# KiCad board SandyLPD_Base.kicad_pcb (continued)
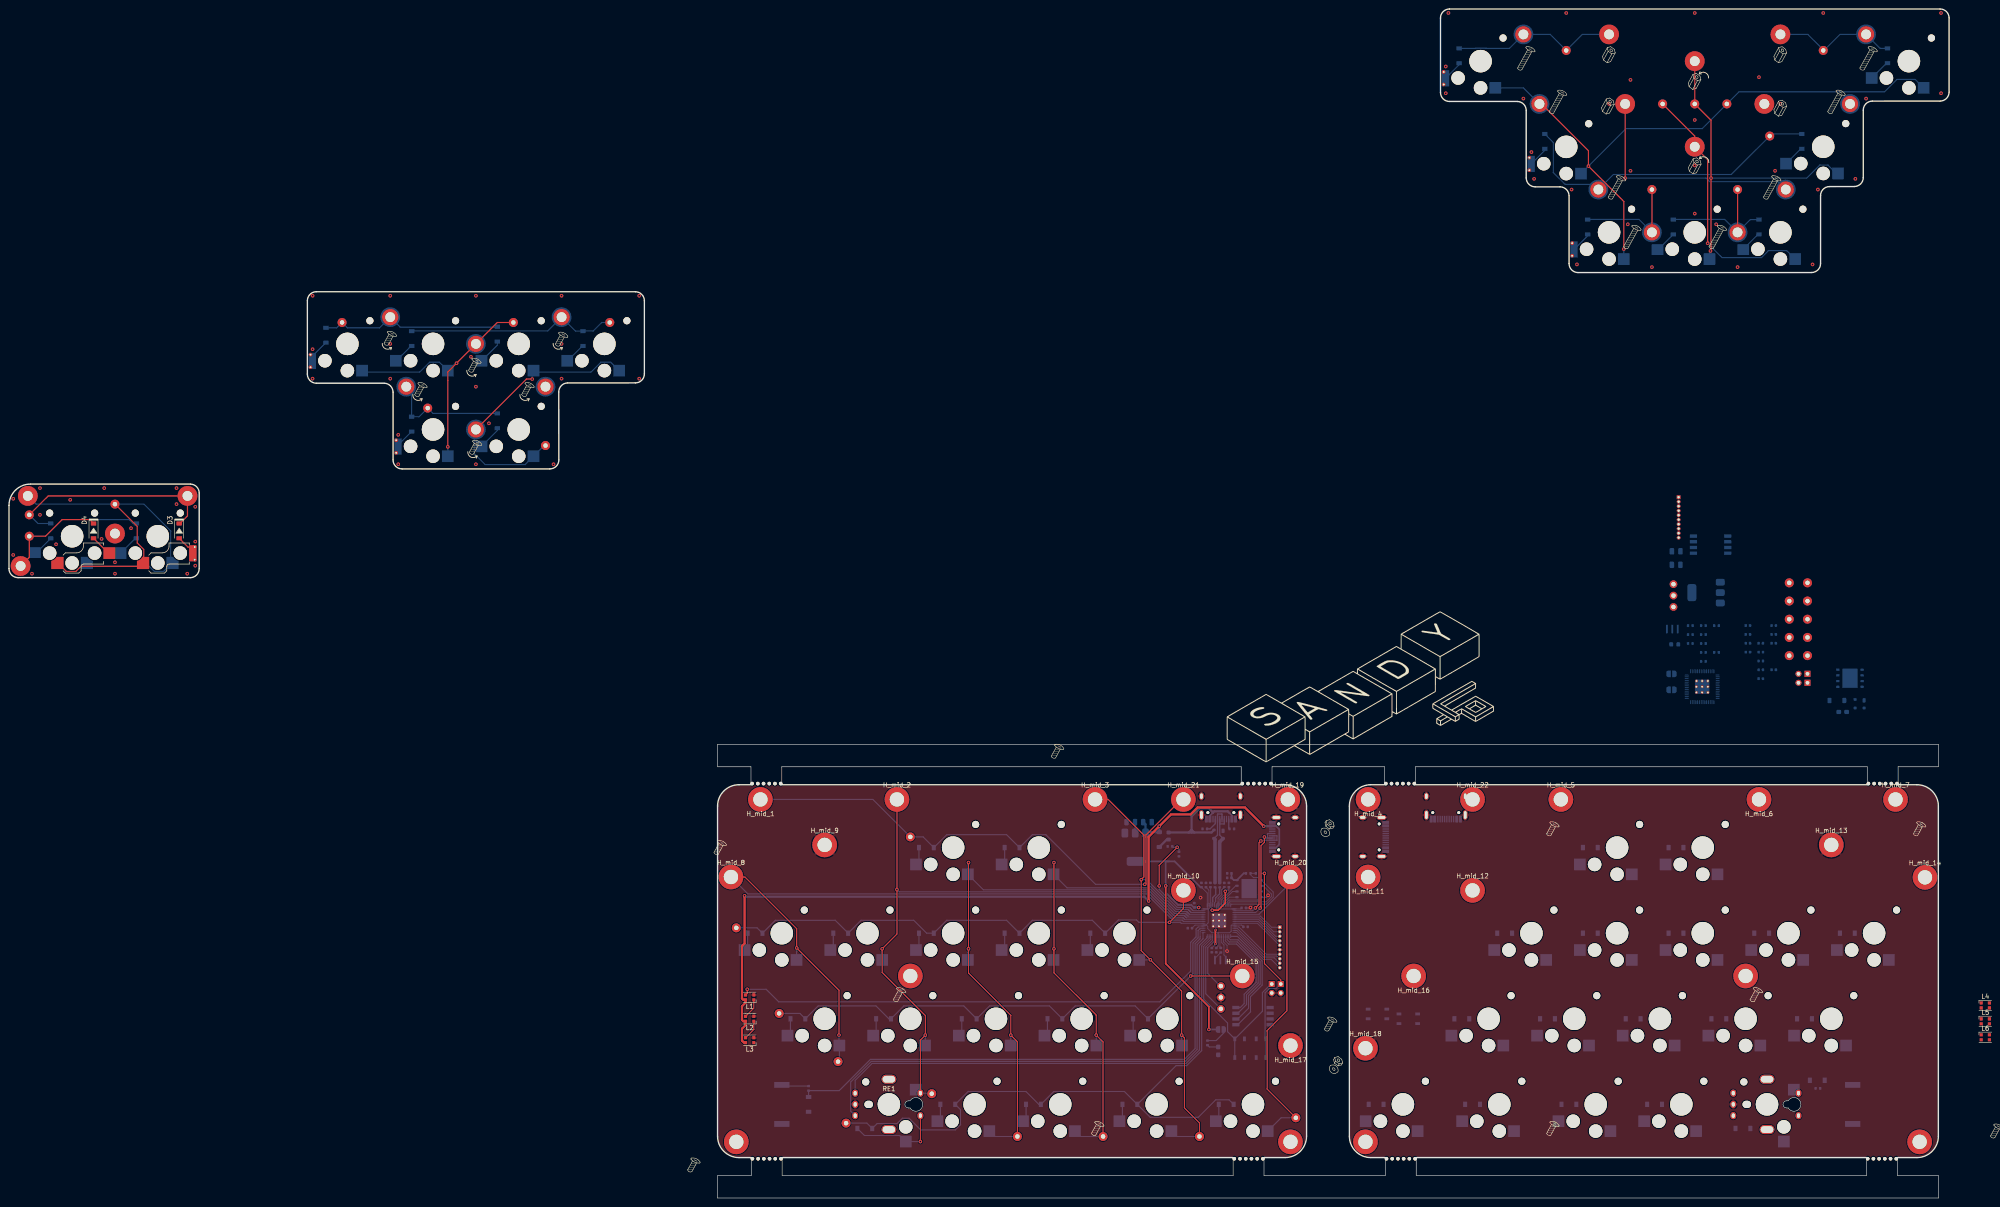
[diagram p0: board, top side]
## Routing (per net, layer and track width the routed paths; a pad name or vN(x,y) marks a point on that pad's centre or on a via; arc(x,y) is an arc through that point) (continued)
L_Audio: length 118.6
  Bottom w0.2: U3.30 265.09,59.54 264.86,59.31 264.86,58.2
  Bottom w0.25: D35.1 R9.2 184.6,23.9 191.56,30.85 261.35,30.85 263.75,33.25 263.75,56.59 264.86,57.7 264.86,58.2
L_col0: length 165.3
  Top w0.25: v1(184.56,36.25) 184.56,46.25 v1(175.16,55.65) 175.16,59.93 163.65,71.44 H_mid_8.1
  Bottom w0.2: 260.87,61.85 261.18,61.54 U3.35
  Bottom w0.25: v1(175.16,55.65) 175.16,54.85 175.12,54.82 SW_5.1 ; v1(184.56,36.25) 184.56,34.02 SW_15.1 184.65,30.66 T_L_C0.1 ; H_mid_8.1 164.29,67.69 252.93,67.69 258.76,61.85 260.87,61.85 261.16,61.56
L_col1: length 199.2
  Top w0.25: 2.59,140.65 4.51,142.58 4.51,147.28 8.11,147.28 11.81,150.98 17.93,150.98 18.8,150.12 ; H_mid_2.1 v1(197.45,68.63) 197.45,58.74 v1(194.16,55.45) 194.16,50.21 203.76,40.61 v1(203.76,36.25) 202.66,35.15 SW_25.S1
  Bottom w0.2: U3.36 261.48,61.94 261.26,62.15
  Bottom w0.25: 261.06,62.35 261.36,62.05 ; 261.06,62.35 258.9,62.35 253.11,68.14 197.94,68.14 v1(197.45,68.63) ; 261.06,62.35 261.26,62.15 ; T_L_C1.1 205.07,23.34 SW_25.S1 ; SW_6.1 194.16,53 v1(194.16,55.45) ; 28.33,150.12 28.29,150.15 27.54,150.15 26.71,150.98 11.84,150.98 8.13,147.28 4.51,147.28 ; SW_16.1 203.76,34 v1(203.76,36.25)
L_col2: length 137.1
  Top w0.25: T_L_C2.1 224.23,34.78 v1(222.76,36.25) 222.76,40.66 213.36,50.06 v1(213.36,55.45) v1(213.36,74.65)
  Bottom w0.2: U3.37 261.88,62.34 261.46,62.75
  Bottom w0.25: 261.36,62.85 259.03,62.85 253.3,68.59 216.67,68.59 SW_1.1 213.22,74.52 v1(213.36,74.65) ; 261.36,62.85 261.81,62.41 ; 261.36,62.85 261.46,62.75 261.71,62.51 ; T_L_C2.1 219.18,13.69 SW_LWIN1.1 ; SW_17.1 222.76,33.95 v1(222.76,36.25) ; v1(213.36,55.45) 213.36,54.85 213.22,54.72 SW_7.1
L_col3: length 118.3
  Top w0.25: v1(232.36,74.65) v1(232.36,55.45) 232.36,50.11 241.76,40.71 v1(241.76,36.25) 243.28,34.73 T_L_C3.1
  Bottom w0.2: U3.38 262.18,62.74 261.86,63.05
  Bottom w0.25: 261.61,63.3 262.01,62.9 ; 261.61,63.3 262.15,62.76 262.18,62.76 ; 261.61,63.3 259.22,63.3 253.49,69.04 235.27,69.04 SW_2.1 232.27,74.57 v1(232.36,74.65) ; 261.61,63.3 261.86,63.05 ; T_L_C3.1 238.23,13.69 SW_27.1 ; SW_18.1 241.76,33.97 v1(241.76,36.25) ; SW_8.1 232.27,54.97 232.36,55.05 v1(232.36,55.45)
L_col4: length 116.9
  Top w0.25: H_mid_3.1 244.41,88.7 252.36,80.75 252.36,71.45 v1(251.76,70.85) 251.76,55.05 v1(253.81,53) 260.76,46.05 v1(260.76,36.25) 261.37,35.65 261.37,20.06 264.72,16.71 T_L_C4.1
  Bottom w0.2: U3.40 262.88,63.54 262.56,63.85
  Bottom w0.25: v1(260.76,36.25) 260.76,34.02 SW_19.1 ; 262.21,64.2 262.66,63.75 ; 262.21,64.2 259.59,64.2 252.94,70.85 v1(251.76,70.85) ; 262.21,64.2 262.56,63.85 ; 262.21,64.2 262.85,63.56 262.88,63.56 ; T_L_C4.1 259.66,13.69 SW_28.1 ; SW_9.1 253.79,52.99 v1(253.81,53)
L_col5: length 143.9
  Top w0.25: 112.16,194.85 108.58,194.85 103.82,190.08 v1(99.52,185.78) 97.57,183.83 v1(97.57,167.16) ; T_L_C5.1 279.76,24.25 279.76,37.25 284.16,41.65 284.16,70.64 H_mid_20.1
  Bottom w0.2: 278.01,63.2 277.94,63.14 U3.4
  Bottom w0.25: 278.01,63.2 284.96,70.15 H_mid_20.1 ; SW_29.1 282.87,17.86 T_L_C5.1 ; v1(99.52,185.78) 99.27,185.78 97.62,184.13 97.57,184.13 95.7,186.01 93.52,186.01 91.32,183.81 78.85,183.81 78.52,184.13 ; 97.57,165.08 v1(97.57,167.16)
L_D+: length 18.1
  Bottom w0.3: D36.2 269.23,80.74 J5.A6 269.23,83.25 270.18,83.25 270.23,83.3 J5.B6
  Bottom w0.5: D36.2 269.96,79.85
  Bottom w0.8: D36.2 269.22,79.27 R2.2
L_D-: length 17.8
  Bottom w0.3: D36.3 268.73,80.78 J5.B7 268.73,85.4 268.78,85.45 269.68,85.45 269.73,85.4 J5.A7
  Bottom w0.8: R3.2 268.18,79.79 D36.3
L_dip1: length 26.1
  Bottom w0.2: U3.15 271.73,58.23
  Bottom w0.25: SW3.1 273.23,38.58 276.07,41.41 276.07,44.8 278.67,47.4 278.67,52.73 273.17,58.23 271.73,58.23
L_dip2: length 24.8
  Bottom w0.2: U3.16 271.26,57.76 271.56,57.46
  Bottom w0.25: 271.56,57.46 273.3,57.46 278.22,52.55 278.22,47.63 275.62,45.04 275.62,42.23 273.23,39.85 SW3.2
L_dip3: length 23.4
  Bottom w0.2: U3.17 270.86,57.5 271.38,56.98
  Bottom w0.25: 271.38,56.98 273.15,56.98 277.77,52.36 277.77,47.82 275.17,45.22 275.17,43.05 273.23,41.12 SW3.3
L_dip4: length 22.2
  Bottom w0.2: 271.16,56.55 270.46,57.25 U3.18
  Bottom w0.25: 271.16,56.55 271.19,56.53 272.96,56.53 277.32,52.18 277.32,48.01 274.66,45.35 274.66,43.25 273.79,42.39 SW3.4
L_LED: length 115.7
  Top w0.25: v1(164.16,46.45) 164.16,45.57 L1.3
  Bottom w0.2: U3.32 264.44,60.34 264.33,60.23
  Bottom w0.25: 264.33,60.23 263.96,59.85 263.96,58.1 262.76,56.9 262.76,50.5 255.91,43.65 171.16,43.65 168.36,46.45 v1(164.16,46.45)
L_QSPI_SCLK: length 4.9
  Bottom w0.2: U3.52 270.06,66.2 272.07,68.22 U4.6
L_QSPI_SD0: length 3.8
  Bottom w0.2: U4.5 271.37,66.95 270.46,66.04 U3.53
L_QSPI_SD1: length 14.1
  Bottom w0.2: U4.2 278.89,69.49 280.71,67.67 280.71,67.07 279.55,65.91 271.46,65.91 271.26,65.71 U3.55
L_QSPI_SD2: length 9.9
  Bottom w0.2: U4.3 277.78,67.54 277.78,66.48 277.62,66.31 271.3,66.31 270.86,65.87 U3.54
L_QSPI_SD3: length 5.9
  Bottom w0.2: U4.7 272.78,69.49 269.66,66.37 U3.51
L_QSPI_SS: length 19.5
  Bottom w0.2: R5.2 R4.2 276.07,71.94 276.71,71.3 277.91,71.3 278.45,70.76 U4.1 281.11,68.11 281.11,66.91 279.61,65.4 271.89,65.4 U3.56
L_RE_A: length 108.3
  Bottom w0.2: U3.28 266.39,58.23
  Bottom w0.25: SW_25.A 188.16,26.18 191.93,29.95 261.72,29.95 264.71,32.94 264.71,56.22 266.39,57.89 266.39,58.23
L_RE_B: length 114.6
  Bottom w0.2: U3.29 265.5,59.01
  Bottom w0.25: 265.5,59.01 265.5,57.7 264.2,56.39 264.2,33.07 261.54,30.4 191.75,30.4 187.16,25.82 187.16,19.34 SW_25.B
L_RESERVE1: length 11.1
  Bottom w0.2: J4.1 280.76,60.25 278.28,62.74 U3.5
L_RESERVE2: length 11.3
  Bottom w0.2: U3.6 278.11,62.34 281.19,59.25 J4.2
L_RESERVE3: length 11.6
  Bottom w0.2: J4.3 281.63,58.25 277.95,61.94 U3.7
L_RESERVE4: length 11.8
  Bottom w0.2: U3.8 277.78,61.54 282.06,57.25 J4.4
L_RESERVE5: length 12.1
  Bottom w0.2: J4.5 282.5,56.25 277.62,61.14 U3.9
L_RESERVE6: length 12.6
  Bottom w0.2: J4.7 279.56,54.25 273.48,60.34 U3.11
L_RESERVE7: length 12.8
  Bottom w0.2: U3.12 273.2,59.94 279.28,53.85 281.93,53.85 282.53,53.25 J4.8
L_RESERVE8: length 13.1
  Bottom w0.2: U3.13 273.03,59.54 279.11,53.45 281.33,53.45 282.26,52.53 282.28,52.53 J4.9
L_RESERVE9: length 13.3
  Bottom w0.2: U3.14 272.87,59.14 278.95,53.05 280.73,53.05 282.26,51.53 282.28,51.53 J4.10
L_RESET: length 46.3
  Bottom w0.2: U3.26 267.26,57.6 265.66,56 265.66,55.9
  Bottom w0.25: J1.1 280.63,47.62 278.71,45.7 278.71,41.55 SW2.1 ; SW2.1 SW2.1 ; SW2.1 270.96,37.02 270.96,38.95 265.66,44.25 265.66,55.9
L_row0: length 138.1
  Top w0.25: H_mid_21.1 260.71,88.7 252.81,80.8 252.81,70.06 v1(252.56,69.81)
  Bottom w0.2: U3.39 262.48,63.14 262.16,63.45
  Bottom w0.25: 261.86,63.75 262.31,63.3 ; 261.86,63.75 262.45,63.16 262.48,63.16 ; 261.86,63.75 262.16,63.45 ; 261.86,63.75 259.41,63.75 253.35,69.81 v1(252.56,69.81) 241.6,69.81 230.55,80.86 227.57,80.86 D2#3.1 221.82,80.86 208.52,80.86 D1#3.1 203.26,80.37 T_L_R0.1 192.09,88.7 H_mid_1.1
L_row1: length 124
  Top w0.25: H_mid_10.1 261.14,64.45 v1(258.05,61.35)
  Bottom w0.2: 260.56,61.25 260.68,61.14 U3.34
  Bottom w0.25: 186.59,59.09 D6#2.1 ; D6#2.1 183.72,61.81 170.42,61.81 D5#2.1 166.35,60.13 T_L_R1.1 ; D6#2.1 189.47,61.81 201.17,61.81 204.04,58.94 D7.1 208.52,61.81 221.82,61.81 D8.1 227.57,61.81 240.87,61.81 D9#2.1 246.69,61.88 250.72,61.88 251.25,61.35 v1(258.05,61.35) 260.46,61.35 260.56,61.25
L_row2: length 200.5
  Top w0.25: H_mid_15.1 262.77,49.41 v1(262.76,49.4)
  Bottom w0.2: U3.31 264.84,59.94 264.78,59.88 ; 253.27,39.96 D19.1
  Bottom w0.25: T_L_R2.1 175.88,41.08 D15.1 179.94,42.76 192.78,42.76 195.66,39.89 D16.1 198.99,42.76 212.29,42.76 D17.1 218.04,42.76 231.34,42.76 D18.1 237.09,42.76 250.39,42.76 D19.1 253.27,39.91 v1(262.76,49.4) 263.26,49.9 263.26,56.75 264.41,57.9 264.41,59.51 264.78,59.88 ; 398.66,236.8 391.98,236.8 391.52,236.34 382.96,227.78 356.77,227.78 353.42,224.43 352.27,225.58 346.02,225.58 343.4,228.21 343.4,234.91 341.51,236.8
L_row3: length 148.8
  Bottom w0.2: U3.27 266.86,57.76 265.21,56.11 265.21,56
  Bottom w0.25: 265.21,56 265.21,32.8 261.86,29.45 259.51,29.45 D27.1 ; D27.1 248.01,23.71 232.33,23.71 D26.1 229,20.84 226.12,23.71 213.28,23.71 D25.1 211.58,19.66 211.58,16.31 210.43,15.15 202.74,15.15 200.14,17.75 198.66,17.75 197.47,16.56 193.03,16.56 D33.1 190.76,16.67 T_L_R3.1 ; D27.1 253.76,17.96 264.44,17.96 268.34,21.85 271.3,21.85 D28.1
L_RX: length 27.2
  Top w0.25: v1(278.2,64.52) 278.41,64.73 278.41,78.4 279.16,79.15 v1(279.16,80.34)
  Bottom w0.2: v1(278.2,64.52) 277.22,63.54 U3.3
  Bottom w0.25: J6.B7 279.87,81.12 279.85,81.09 279.85,80.14 279.87,80.12 J6.A7 279.38,80.12 v1(279.16,80.34)
L_SWCLK: length 13
  Bottom w0.2: U3.24 268.06,57.2 266.56,55.7 266.56,55.67
  Bottom w0.25: J2.1 269.33,47.17 266.56,49.95 266.56,55.67
L_SWD: length 18.2
  Bottom w0.2: 266.11,55.82 267.66,57.37 U3.25
  Bottom w0.25: J2.3 266.11,45.46 266.11,55.82
L_TX/SERIAL: length 26
  Top w0.25: v1(277.16,64.55) 277.96,65.35 277.96,79.05 v1(278.36,79.45)
  Bottom w0.2: v1(277.16,64.55) 276.54,63.94 U3.2
  Bottom w0.25: v1(278.36,79.45) 278.52,79.62 J6.B6 281.92,79.62 281.95,79.64 281.95,80.59 281.92,80.62 J6.A6
L_USB_BOOT: length 45.8
  Top w0.25: J1.3 282.79,48.55 279.16,52.18 v1(279.16,72.25)
  Bottom w0.25: SW1.2 SW1.2 279.31,35.59 279.31,45.67 280.27,46.62 281.79,46.62 J1.3 ; R5.1 v1(279.16,72.25)
L_VBUS_detection: length 26.8
  Top w0.25: v1(259.76,78.05) 255.76,74.05 v1(255.76,69.45)
  Bottom w0.2: 262.96,64.25 263.28,63.94 U3.41
  Bottom w0.25: 262.56,64.65 263.01,64.2 ; 262.56,64.65 259.78,64.65 255.76,68.67 v1(255.76,69.45) ; 262.56,64.65 262.96,64.25 ; 262.56,64.65 263.21,64 ; R12.1 258.87,78.05 v1(259.76,78.05) 260.16,77.65 R8.1
R_col4: length 133.2
  Top w0.25: 367.7,243.48 374.85,236.34 374.85,233.96 377.72,231.08 v1(377.72,212.48) ; v1(378.35,210.76) 378.47,210.88 v1(378.47,226.98) 378.47,239.86 374.85,243.48 374.85,253.01
  Bottom w0.25: v1(378.47,226.98) 399.75,226.98 402.65,229.88 404.47,229.88 406.35,228.01 406.7,228.01 ; v1(378.35,210.76) 378.12,210.53 378.12,208.96 ; v1(377.72,212.48) 380.92,209.28 389.68,209.28 391.23,210.83 395.3,210.83 397.17,208.96
R_RESET: length 31
  Top w0.25: 384.37,224.43 384.37,214.91
  Bottom w0.25: 370.09,217.75 370.12,217.78 381.5,217.78 384.37,214.91 387.21,217.75 389.14,217.75
Net-(D1-A): length 14.3
  Bottom w0.25: D1#2.2 70.44,190.35 67.46,187.37 SW_[1.2 ; 5.76,143.53 5.98,143.53 D1.2 ; D1#3.2 202.34,74.91 SW_1.2
Net-(D2-A): length 13.8
  Bottom w0.25: SW_]1.2 86.12,186.33 89.41,189.62 D2.2 ; SW_Q1.2 28.1,146.82 D2#2.2 ; D2#3.2 221.39,74.91 SW_2.2
Net-(D3-A): length 14.6
  Top w0.25: SW_P1.2 39.79,144.88 D3.2
  Bottom w0.25: SW_R1.2 322.46,252.23 D3#4.2 ; D3#2.2 108.58,189.8 105.12,186.33 SW_Y1.2
Net-(D4-A): length 14.6
  Top w0.25: D4.2 22.09,143.53 SW_BS1.2
  Bottom w0.25: D4#2.2 417.49,252.55 SW_U1.2 ; SW_T1.2 124.22,186.33 127.51,189.62 D4#3.2
Net-(D5-A): length 8.9
  Bottom w0.25: SW_5.2 164.24,55.86 D5#2.2 ; D5.2 86.24,167.28 86.02,167.28
Net-(D6-A): length 9.5
  Bottom w0.25: D6#2.2 183.29,55.86 SW_6.2 ; SW_'1.2 108.58,170.8 D6.2
Net-(D7-A): length 8.6
  Bottom w0.25: D7.2 202.34,55.86 SW_7.2 ; SW_G1.2 341.51,233.16 D7#2.2
Net-(D8-A): length 4
  Bottom w0.25: D8.2 221.39,55.86 SW_8.2
Net-(D9-A): length 8.9
  Bottom w0.25: SW_9.2 240.44,55.86 D9#2.2 ; SW_H1.2 398.44,233.5 D9.2
Net-(D11-A): length 4.6
  Bottom w0.25: SW_R4CNT_L1.2 351.04,214.13 D11.2
Net-(D12-A): length 4.9
  Bottom w0.25: D12#2.2 366.8,211.16 366.57,211.16
Net-(D13-A): length 4.9
  Bottom w0.25: 385.62,211.16 388.91,214.45 D13.2
Net-(D15-A): length 4
  Bottom w0.25: D15.2 173.77,36.81 SW_15.2
Net-(D16-A): length 4
  Bottom w0.25: D16.2 192.82,36.81 SW_16.2
Net-(D17-A): length 4
  Bottom w0.25: D17.2 211.87,36.81 SW_17.2
Net-(D18-A): length 4
  Bottom w0.25: D18.2 230.92,36.81 SW_18.2
Net-(D19-A): length 4
  Bottom w0.25: SW_19.2 249.97,36.81 D19.2
Net-(D25-A): length 4
  Bottom w0.25: SW_LWIN1.2 207.11,17.76 D25.2
Net-(D26-A): length 4
  Bottom w0.25: D26.2 226.16,17.76 SW_27.2
Net-(D27-A): length 4
  Bottom w0.25: D27.2 247.59,17.76 SW_28.2
Net-(D28-A): length 4
  Bottom w0.25: D28.2 269.02,17.76 SW_29.2
Net-(D33-A): length 21.1
  Top w0.25: SW_25.S2 v1(202.66,12.55)
  Bottom w0.25: v1(202.66,12.55) 202.16,12.55 202.15,12.56 SW_25.S2 198.06,13.91 190.22,13.91 D33.2 ; 203.16,18.49 203.16,18.34
Net-(J5-CC1): length 3.3
  Bottom w0.3: J5.A5 268.23,83.3 267.08,82.15 R10.1
Net-(J5-CC2): length 2.2
  Bottom w0.3: R11.1 271.23,82.32 J5.B5
Net-(JP1-B): length 5.1
  Bottom w0.25: R1.2 268.42,35.04 270.13,36.75 JP1.2
Net-(L1-DOUT): length 4.4
  Top w0.25: L1.1 165.62,42.27 L2.3
Net-(L2-DOUT): length 4.4
  Top w0.25: L3.3 165.62,37.5 L2.1
Net-(LS1-Pad1): length 6.1
  Bottom w0.25: LS1.1 172.12,24.92 R9.1
Net-(R6-Pad1): length 2.2
  Bottom w0.2: R6.1 268.16,53.34 Y1.3
Net-(SD1-A): length 2.8
  Bottom w0.5: F1.2 257.44,79.77 SD1.2
Net-(STLED1-A): length 2.5
  Bottom w0.25: STLED1.2 266.9,33.62 R1.1
Net-(U3-USB_DM): length 4.6
  Bottom w0.2: U3.46 267.66,66.25
  Bottom w0.3: 267.66,65.93 267.66,66.86 268.33,67.54 268.33,68.99 R3.1
Net-(U3-USB_DP): length 4.5
  Bottom w0.2: U3.47 268.06,65.72 268.3,65.96
  Bottom w0.3: 268.3,65.96 268.3,66.8 269.22,67.71 R2.1
Net-(U3-XIN): length 5.7
  Bottom w0.2: Y1.1 270.56,53.7 270.16,54.1 270.16,56.32 269.66,56.82 U3.20
Net-(U3-XOUT): length 2.7
  Bottom w0.2: R6.2 269.26,55.86 U3.21

## Copper pours and planes (outline as drawn; the poured copper is in the pictures)
+1V1 on Bottom: 267.08,63.54 270.68,63.54 270.68,60.14 268.08,60.14 268.08,59.34 268.88,59.34 269.08,59.54 271.28,59.54 271.28,63.94 268.48,63.94 268.28,64.04 268.18,64.14 268.08,64.54 267.08,64.54
+3V3 on Bottom: 259.36,77.39 254.44,77.39 254.44,80.37 251.23,80.37 251.23,82.87 249.53,82.87 249.53,80.37 244.63,80.37 244.63,71.88 259.36,71.88
+3V3 on Bottom: 266.26,58.94 271.86,58.94 271.86,64.54 266.26,64.54
GND on Top, Bottom: 290.91,-1.79 150.42,-1.79 150.42,106.56 290.91,106.56
GND_R on Top, Bottom: 436.17,-1.79 296.86,-1.79 296.86,106.56 436.17,106.56

## Text on the board
B.Silkscreen: by @jpskenn | #SandyLP_kbd Top | DN0010 | #SandyLP_kbd DN0010, Base by @jpskenn / github.com/jpskenn/SandyLP | #SandyLP_kbd DN0010 Mid by @jpskenn | Back Side | Fairness, Justice, Rightness
User.Comments: REF**
User.Eco1: 100x100mm
User.Eco2: Screw for SW-plate | Through-hole tap head diameter | Screw for Top plate
F.Fab: ICON_Screw_Long_Medium | ICON_Nut & Washer
